# KiCad board imx8x_carrier_v1.kicad_pcb (continued)
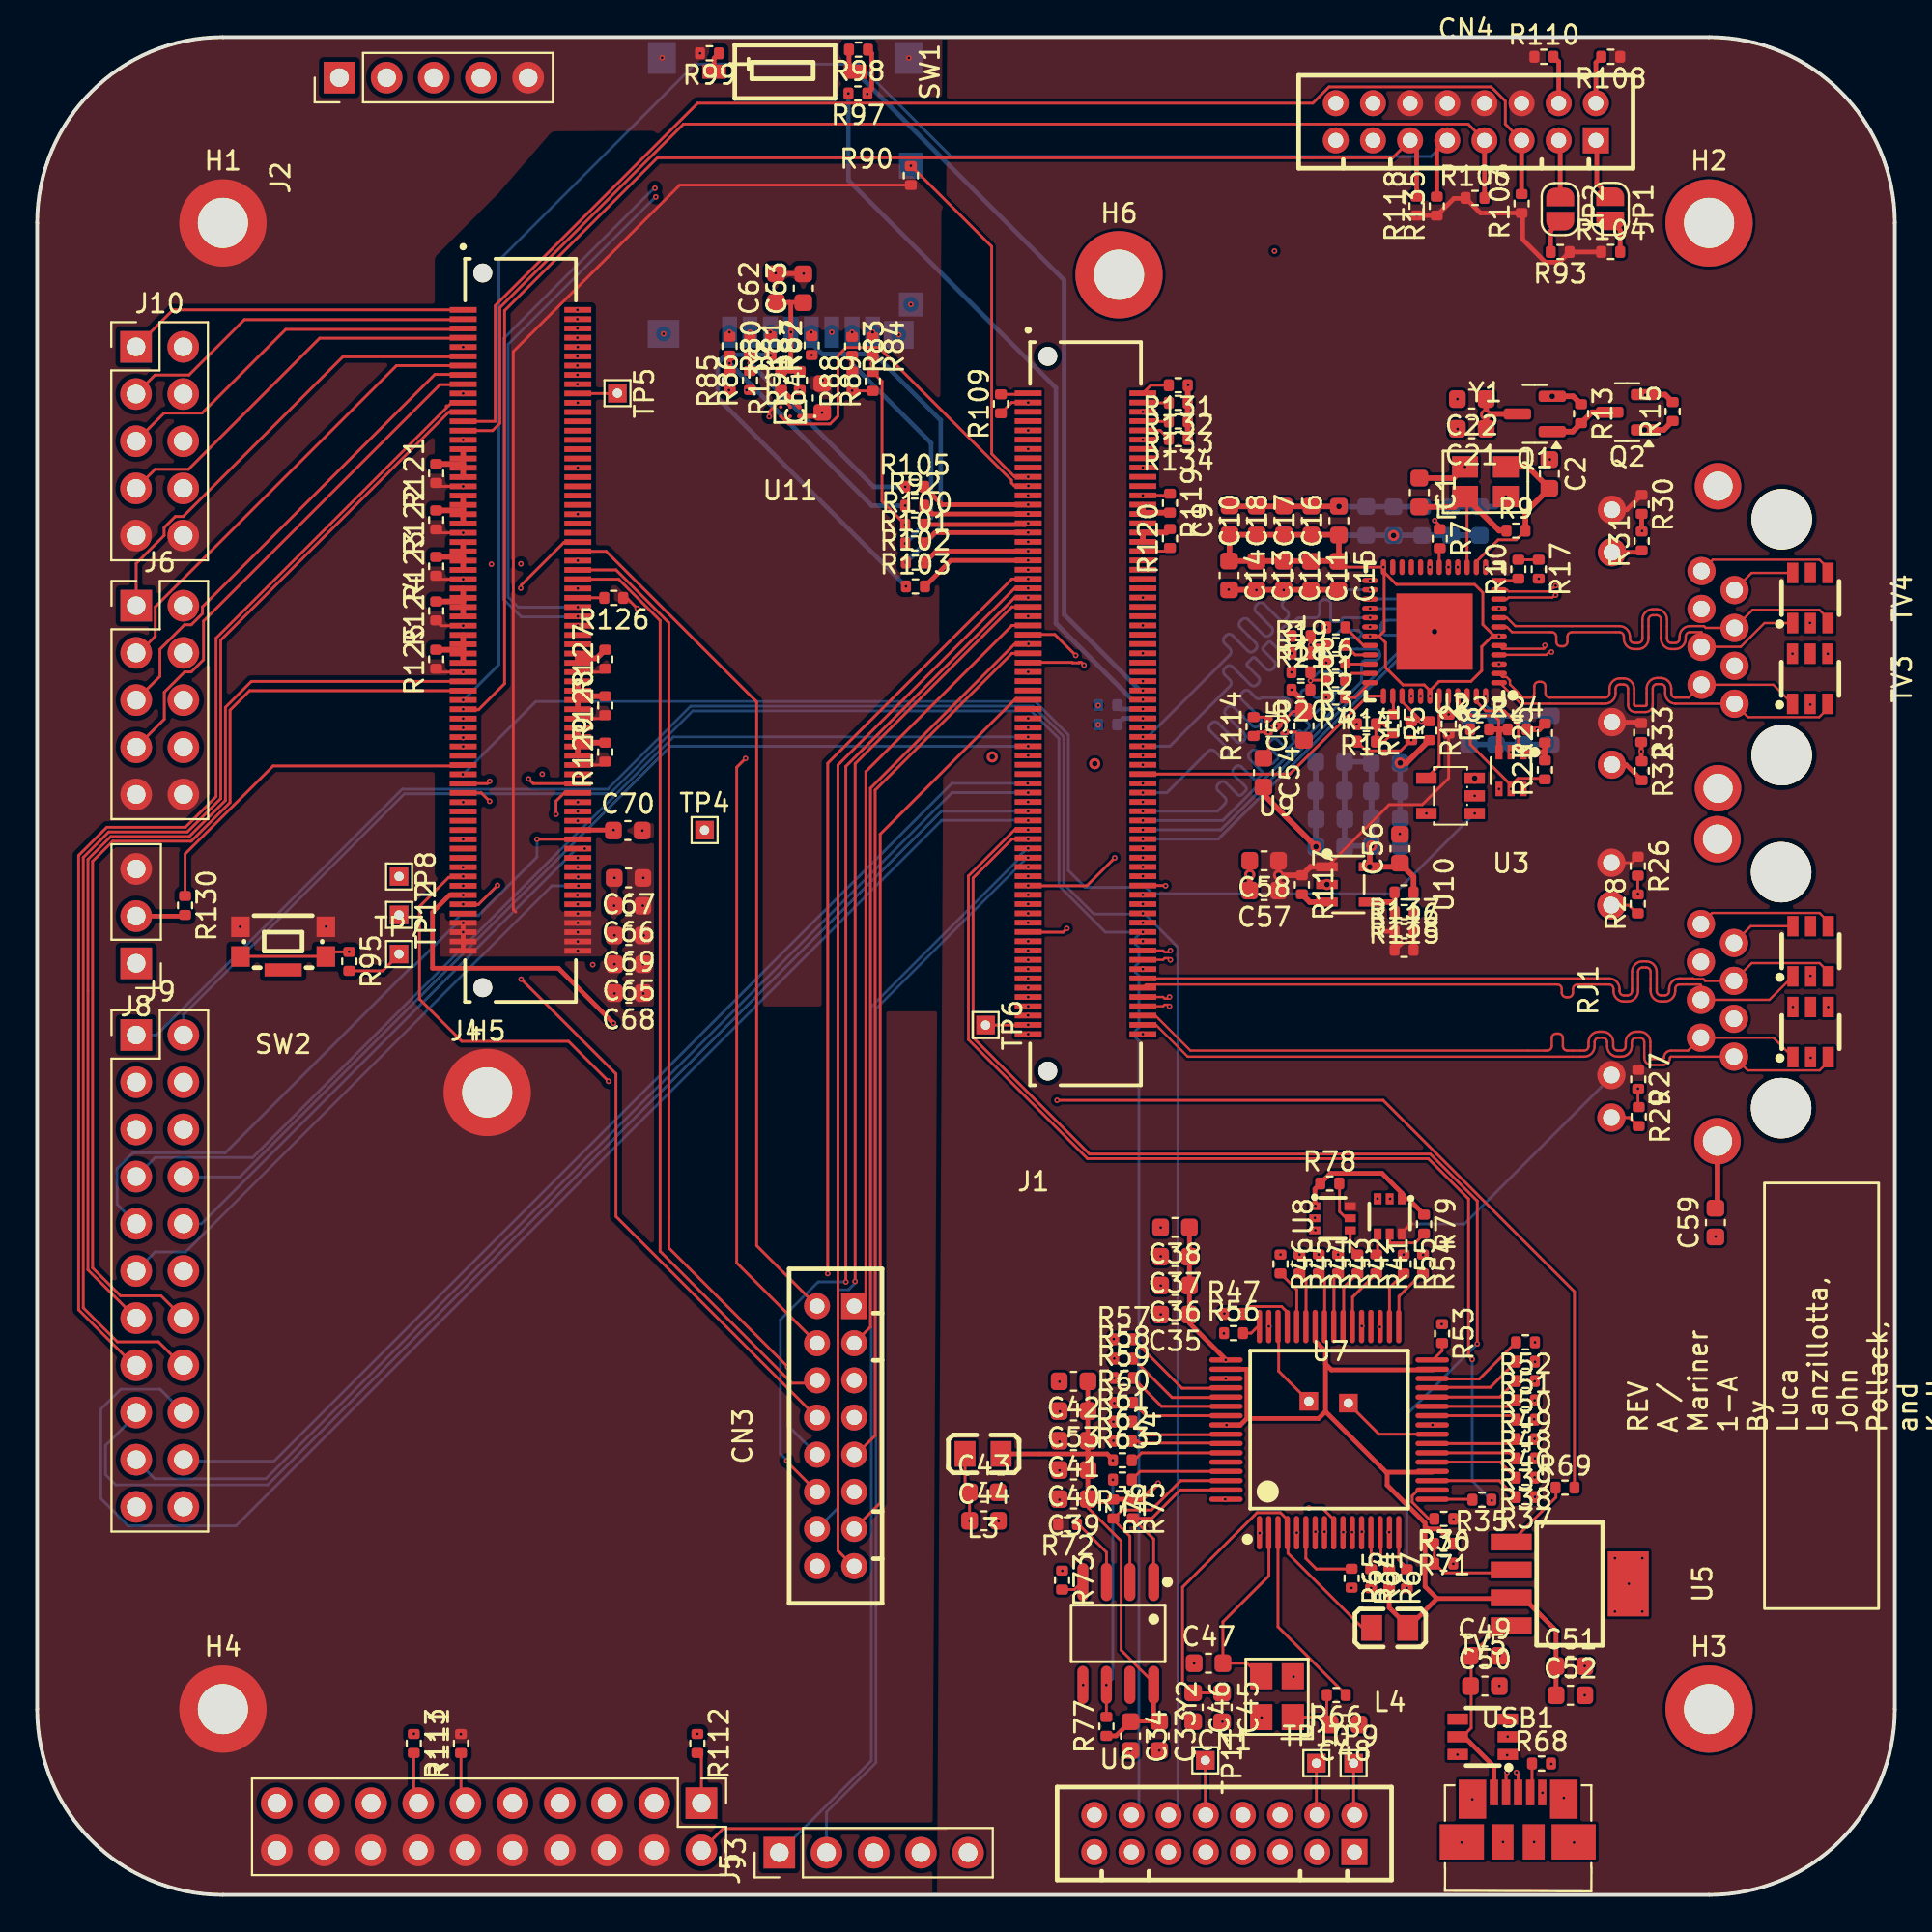
[diagram p0: board, top side]
## Routing (per net, layer and track width the routed paths; a pad name or vN(x,y) marks a point on that pad's centre or on a via; arc(x,y) is an arc through that point) (continued)
VCC_ENET_2V5: length 84
  SIG1 w0.3: R116.1 74.09,54.81 C56.1 73.16,55.34 v2(71.73,55.34) 71.73,56.37 v2(71.83,56.47) ; R15.1 87.56,78.86 v2(86.53,78.86)
  PWR w0.25: 77.19,69.25 77.23,69.21 77.23,67.68 75.8,66.25 ; 77.19,69.25 v1(74.97,71.47) 74.97,71.31 ; 77.19,69.25 v1(78.69,69.25) ; 75.8,66.25 v1(78.69,66.25) ; 75.8,66.25 74.47,64.92 v1(74.47,64.53) 74.47,65.81 72.04,68.25 v1(71.75,68.25) 71.91,68.25 74.97,71.31 ; 74.97,71.31 73.11,73.17 v2(73.02,73.17)
  PWR w0.3: v1(74.97,71.47) 77.34,73.84 77.34,77.23 81.33,81.22 84.17,81.22 v2(86.53,78.86) ; v1(74.47,64.53) 74.47,64.31 74.04,63.87 74.04,63.3 71.83,61.1 v2(71.83,56.47)
  SIG3 w0.3: C3.1 77.65,73.19 C8.1 ; C31.1 71.82,56.48 v2(71.83,56.47) ; C31.1 71.83,60.92 v2(71.83,56.47) ; C31.1 71.76,60.99 C29.1 70.38,56.43 C28.1 70.44,56.47 v2(71.83,56.47)
VCC_LDO_SD1: length 23
  SIG1 w0.15: R89.1 43.89,80.96 43.86,80.99
  PWR w0.25: 37.13,81 v1(37.24,81) v1(38.18,81) v1(41.05,81) ; v1(41.05,81) 43.84,81 v1(43.87,80.97) 52.01,72.83 53.34,72.83 ; v1(41.05,81) 41.69,81.64 v1(41.69,82.89) ; v1(53.35,72.83) 53.21,72.83
VCC_QSPI_1V8: length 2.1
  SIG1 w0.15: J4.20 31.21,80.82 31.23,80.84
VCC_SCU_1V8: length 48.9
  SIG1 w0.25: R97.1 44.92,97.2 44.92,99.13 R98.1
  PWR w0.15: v1(24.45,71.63) 24.45,81.26 34.11,90.92 38.66,90.92 v1(44.68,96.94)
  SIG2 w0.15: v1(24.45,71.63) 24.45,63.77 22.99,62.31 22.92,62.31
  vias: v1(22.93,62.29)
VDD_ADC_1V8: length 7.2
  SIG1 w0.25: J4.114 v1(31.03,57.32)
  PWR w0.25: v1(31.03,57.32) 31.46,57.75 35.48,57.75 35.96,57.27
VDD_ETH_1V0: length 65.5
  SIG1 w0.15: 74.97,64.82 74.67,65.13 73.52,65.13 72.58,66.07 72.58,67.41 72.24,67.75 72.04,67.75 ; 74.97,64.82 v1(74.97,64.53) ; 74.97,64.82 75.47,65.32 77.18,65.32 77.76,65.9 77.76,67.19 78.32,67.75 v1(78.69,67.75) 78.45,67.75 77.82,68.38 77.82,70.1 77.38,70.54 73.17,70.54 72.47,71.24 v1(72.47,71.47) ; 72.04,67.75 72.23,67.75 72.51,68.03 72.51,71.43 v1(72.47,71.47) ; 72.04,67.75 v1(71.75,67.75) ; C15.1 70.35,71.47 v1(72.47,71.47) ; C55.1 67.75,62.59 v1(67.19,62.59) U9.1
  SIG1 w0.3: v2(81.56,80.67) 82.68,80.67 R13.1 ; C9.1 70.06,73.21 C16.1 70.07,71.81 C15.1 70.02,71.8 C14.1 64.19,71.82 C9.1
  PWR w0.15: v1(71.75,67.75) 71.75,67.39 67.19,62.83 v1(67.19,62.59)
  PWR w0.3: v2(81.56,80.67) 80.36,79.46 80.36,69.41 v1(78.69,67.75)
/Debug USB - UART/DEBUG_USB_DN: length 21
  SIG1 w0.158: USB1.2 79.07,6.54
  SIG2 w0.158: v1(79.13,6.59) 79.2,6.66 79.2,7.5 76.81,9.89 arc(76.64,9.96) 76.47,9.89 76.24,9.65 arc(76.07,9.58) 75.9,9.65 75.81,9.74 arc(75.74,9.91) 75.81,10.08 76.05,10.31 arc(76.12,10.48) 76.05,10.65 75.96,10.74 arc(75.79,10.81) 75.62,10.74 75.39,10.5 arc(75.22,10.43) 75.05,10.5 74.96,10.59 arc(74.89,10.76) 74.96,10.93 75.2,11.16 arc(75.27,11.33) 75.2,11.5 70.94,15.75 70.44,15.75 68.88,17.32 68.88,19.48 v1(68.81,19.54)
  vias: v1(79.13,7.52)
/Debug USB - UART/DEBUG_USB_DP: length 25
  SIG1 w0.158: USB1.3 79.72,6.54
  SIG2 w0.158: v1(69.31,19.54) 69.24,19.48 69.24,17.47 70.59,16.11 70.92,16.11 71.01,16.2 75.28,11.93 arc(75.45,11.86) 75.62,11.93 75.84,12.15 arc(76.01,12.22) 76.18,12.15 76.26,12.07 arc(76.33,11.9) 76.26,11.73 76.04,11.51 arc(75.97,11.34) 76.04,11.17 76.12,11.08 arc(76.29,11.01) 76.46,11.08 76.69,11.3 arc(76.86,11.37) 77.03,11.3 77.11,11.22 arc(77.18,11.05) 77.11,10.88 76.89,10.66 arc(76.82,10.49) 76.89,10.32 79.56,7.65 79.56,6.66 v1(79.63,6.59) ; v1(76.46,7.54) 77.81,6.19 79.29,6.19 79.63,6.53 79.63,6.59
/Debug USB - UART/DEBUG_USB_ID: length 1.5
  SIG1 w0.15: 80.36,5.59 80.47,5.71 R68.1
/Debug USB - UART/FTDI_OSCI: length 10.5
  SIG1 w0.15: 65.86,11.74 65.13,12.47 C47.2 63.83,14.7 66.31,17.17 66.31,19.59
/Debug USB - UART/FTDI_OSCO: length 3.8
  SIG1 w0.15: R66.2 69.42,9.51 69.68,9.24 ; Y2.1 69.29,9.56 69.66,9.19
/Debug USB - UART/M40_UART0_RX: length 1.2
  SIG1 w0.15: 72.06,34.44 72.16,34.54 U8.4
/Debug USB - UART/M40_UART0_TX: length 1.5
  SIG1 w0.15: U7.4 70.68,34.89 71.11,34.47
ETH1_A_TX_N: length 22.3
  SIG1 w0.124: TV3.1 93.46,65.14 RJ2.2 88.9,64.45 88.2,64.45 arc(88.04,64.52) 87.97,64.68 87.97,64.94 arc(87.8,65.34) 87.4,65.5 87.2,65.5 arc(86.8,65.34) 86.64,64.94 86.64,64.06 arc(86.62,64.01) 86.58,64 86.03,64 arc(85.98,64.01) 85.97,64.06 85.97,64.92 arc(85.8,65.32) 85.4,65.48 85.2,65.48 arc(84.8,65.32) 84.64,64.92 84.64,64.68 arc(84.57,64.52) 84.4,64.45 81.43,64.45 arc(81.26,64.52) 81.19,64.69 81.19,65.06 arc(81.12,65.23) 80.95,65.3 80.83,65.3 arc(80.66,65.23) 80.59,65.06 80.59,64.69 arc(80.52,64.52) 80.35,64.45 79.99,64.45 79.28,65.16 79.28,65.38 79.1,65.55 78.89,65.55 U1.2
ETH1_A_TX_P: length 22.8
  SIG1 w0.124: U1.1 78.73,65.25 79.86,64.12 84.4,64.12 arc(84.8,64.28) 84.97,64.68 84.97,64.92 arc(85.04,65.09) 85.2,65.16 85.4,65.16 arc(85.57,65.09) 85.64,64.92 85.64,64.06 arc(85.75,63.78) 86.03,63.67 86.58,63.67 arc(86.85,63.78) 86.97,64.06 86.97,64.94 arc(87.04,65.11) 87.2,65.18 87.4,65.18 arc(87.57,65.11) 87.64,64.94 87.64,64.68 arc(87.8,64.28) 88.2,64.12 RJ2.1 92.09,63.4 95.93,63.4 96.39,63.86 TV3.3
ETH1_B_TX_N: length 22.1
  SIG1 w0.124: v1(81.16,67.26) 81.16,67.13 81.11,67.08 78.86,67.08 U1.5
  SIG2 w0.124: v1(94.49,66.81) 92.08,69.22 RJ2.6 89.12,68.74 88.96,68.74 arc(88.56,68.58) 88.4,68.18 88.4,67.89 arc(88.33,67.72) 88.16,67.66 87.96,67.66 arc(87.79,67.72) 87.72,67.89 87.72,68.18 arc(87.56,68.58) 87.16,68.74 86.25,68.74 arc(86.08,68.81) 86.01,68.98 86.01,69.18 arc(85.94,69.34) 85.77,69.42 85.65,69.42 arc(85.48,69.34) 85.41,69.18 85.41,68.98 arc(85.34,68.81) 85.17,68.74 85.05,68.74 arc(84.88,68.81) 84.81,68.98 84.81,69.18 arc(84.74,69.34) 84.57,69.42 84.45,69.42 arc(84.28,69.34) 84.21,69.18 84.21,68.98 arc(84.14,68.81) 83.97,68.74 83.85,68.74 arc(83.68,68.81) 83.61,68.98 83.61,69.18 arc(83.54,69.34) 83.37,69.42 83.25,69.42 arc(83.08,69.34) 83.01,69.18 83.01,68.98 arc(82.94,68.81) 82.77,68.74 81.29,67.26 v1(81.16,67.26)
ETH1_B_TX_P: length 21.5
  SIG1 w0.124: v1(81.52,66.9) 81.4,66.9 81.24,66.75 U1.4
  SIG2 w0.124: v1(81.52,66.9) 81.52,67.03 82.91,68.42 87.16,68.42 arc(87.33,68.35) 87.4,68.18 87.4,67.89 arc(87.56,67.49) 87.96,67.33 88.16,67.33 arc(88.56,67.49) 88.72,67.89 88.72,68.18 arc(88.79,68.35) 88.96,68.42 89.12,68.42 89.43,68.1 89.97,68.1 90.51,67.56 90.51,67.02 RJ2.3 95.74,66.16 v1(96.39,66.81)
ETH1_C_TXCLK_N: length 22.9
  SIG1 w0.124: TV4.3 96.4,68.71 95.94,69.17 92.34,69.17 RJ2.5 89.82,68.2 89.73,68.3 88.98,68.3 arc(88.58,68.13) 88.41,67.73 88.41,67.62 arc(88.34,67.46) 88.18,67.39 87.98,67.39 arc(87.81,67.46) 87.74,67.62 87.74,68.64 arc(87.57,69.04) 87.18,69.21 86.98,69.21 arc(86.58,69.04) 86.41,68.64 86.41,67.62 arc(86.34,67.46) 86.18,67.39 85.98,67.39 arc(85.81,67.46) 85.74,67.62 85.74,67.73 arc(85.57,68.13) 85.18,68.3 79.57,68.3 79.12,68.75 U1.8
ETH1_C_TXCLK_P: length 22.4
  SIG1 w0.124: U1.7 79.12,68.25 79.4,67.97 81.53,67.97 arc(81.7,67.9) 81.77,67.73 81.77,67.45 arc(81.85,67.28) 82.01,67.21 82.13,67.21 arc(82.3,67.28) 82.37,67.45 82.37,67.73 arc(82.45,67.9) 82.61,67.97 85.18,67.97 arc(85.34,67.9) 85.41,67.73 85.41,67.62 arc(85.58,67.22) 85.98,67.06 86.18,67.06 arc(86.57,67.22) 86.74,67.62 86.74,68.64 arc(86.81,68.81) 86.98,68.88 87.18,68.88 arc(87.34,68.81) 87.41,68.64 87.41,67.62 arc(87.58,67.22) 87.98,67.06 88.18,67.06 arc(88.57,67.22) 88.74,67.62 88.74,67.73 arc(88.81,67.9) 88.98,67.97 89.59,67.97 89.59,67.97 RJ2.4 91.7,67.18 92.98,68.46 TV4.1
ETH1_D_RXDV_N: length 23.7
  SIG1 w0.124: v1(81.74,70.47) 81.63,70.36 81.58,70.36 81.39,70.16 79.2,70.16 79.12,70.25 U1.11 ; TV4.4 96.4,71.41 95.94,71.87 90.2,71.87 RJ2.8
  SIG2 w0.124: v1(81.74,70.47) 81.83,70.38 82.67,70.38 arc(82.82,70.44) 82.88,70.59 arc(82.94,70.74) 83.09,70.8 83.27,70.8 arc(83.42,70.74) 83.48,70.59 arc(83.54,70.44) 83.69,70.38 83.87,70.38 arc(84.02,70.44) 84.08,70.59 arc(84.14,70.74) 84.29,70.8 84.47,70.8 arc(84.62,70.74) 84.68,70.59 arc(84.74,70.44) 84.89,70.38 86.23,70.38 arc(86.63,70.22) 86.79,69.82 86.79,69.59 arc(86.86,69.42) 87.03,69.35 87.23,69.35 arc(87.4,69.42) 87.47,69.59 87.47,70.95 arc(87.63,71.35) 88.03,71.52 88.23,71.52 arc(88.63,71.35) 88.79,70.95 88.79,70.62 arc(88.86,70.45) 89.03,70.38 89.5,70.38 89.59,70.47 RJ2.8
ETH1_D_RXDV_P: length 19.7
  SIG1 w0.124: U1.10 79.12,69.75 79.2,69.84 81.57,69.84 81.7,69.97 v1(81.74,69.97) ; TV4.6 92.29,71.16 RJ2.7
  SIG2 w0.124: RJ2.7 89.82,70.24 89.73,70.14 89.21,70.14 89.12,70.06 89.03,70.06 arc(88.63,70.22) 88.47,70.62 88.47,70.95 arc(88.4,71.12) 88.23,71.19 88.03,71.19 arc(87.86,71.12) 87.79,70.95 87.79,69.59 arc(87.63,69.19) 87.23,69.02 87.03,69.02 arc(86.63,69.19) 86.47,69.59 86.47,69.82 arc(86.4,69.99) 86.23,70.06 81.83,70.06 v1(81.74,69.97)
ETH1_LED0: length 9.1
  SIG1 w0.15: 86.33,61.58 86.33,61.06 R32.1
  SIG1 w0.25: R33.2 86.35,61.05 R32.1
  SIG2 w0.15: 86.33,61.58 86.33,61.08 84.79,59.53 v1(79.99,59.53)
  vias: v1(86.35,61.56)
ETH1_LED1: length 21.6
  SIG1 w0.15: v1(86.39,73.42) 86.37,73.44 86.37,73.8
  SIG1 w0.25: R30.2 R31.2
  SIG2 w0.15: v1(86.39,73.42) 80.98,73.42 79.73,72.17 79.75,72.15 79.75,60.59 v1(78.69,59.53)
LED0_LINK: length 6.8
  SIG1 w0.15: U3.1 79.74,61.77 79.74,62.97 78.98,63.73 77.98,63.73 77.47,64.23 U1.47
  SIG1 w0.3: 81.16,61.5 81.15,61.51 U3.1 ; 81.16,61.5 R23.2 ; 81.16,61.5 81.16,62.03 ; 81.16,62.06 81.17,62.06
LED2_ACT: length 5.6
  SIG1 w0.15: U1.45 76.47,64.23 77.23,63.48 78.43,63.48 78.68,63.23 78.68,62.74
  SIG1 w0.3: 78.68,62.74 78.69,62.73 U3.3 ; 78.68,62.74 79.16,62.74 79.16,62.74 ; 78.68,62.74 78.16,62.74
SD1_SPWR: length 1.4
  SIG1 w0.25: R136.1 40.11,81.01 U11.B1
USB_OTG2_VBUS: length 1.6
  SIG1 w0.15: R131.2 59.95,81.26 J1.02
X_ADMA_I2C0_SCL: length 183.1
  SIG1 w0.25: 83.96,94.52 83.96,92.13 JP1.1
  PWR w0.15: 29.13,69.32 29.04,69.32 28.45,68.73 28.45,68.05 30.06,66.45 30.06,50.29 29.91,50.14 v1(29.91,50.07)
  SIG2 w0.15: v1(33.3,91.4) 80.86,91.4 CN4.1 ; v1(29.91,50.07) 29.91,7.72 31.67,5.96 63.25,5.96 CN1.8
  SIG3 w0.15: v1(29.11,69.32) 25.89,69.32 25.36,69.85 25.36,83.47 33.28,91.39
X_ADMA_I2C0_SDA: length 183.7
  SIG1 w0.25: 81.94,94.49 81.99,94.45 JP2.1
  PWR w0.15: 66.91,4.29 66.03,3.42 50.66,3.42 48.03,6.04 31.49,6.04 30.31,7.22 30.31,66.55 28.7,68.15 28.7,68.49 29.04,68.82 v1(29.11,68.82)
  SIG2 w0.15: CN4.3 79.33,91.87 v1(33.26,91.87)
  SIG3 w0.15: 29.08,68.79 26.06,68.79 25.11,69.74 25.11,83.77 33.21,91.87 v1(33.26,91.87)
X_ADMA_I2C1_SCL: length 73
  SIG1 w0.15: J4.25 24.66,79.32 24.66,85.54 35.56,96.45 68.67,96.45 69.54,97.32 78.27,97.32 79.03,96.56 79.03,95.32 79.96,94.39
  SIG1 w0.25: 79.89,94.49 79.91,94.48 R107.2
X_ADMA_I2C1_SDA: length 69
  SIG1 w0.15: CN4.7 77.03,95.32 34.79,95.32 24.91,85.44 ; 24.91,85.44 24.91,79.22 24.51,78.82 J4.27
  SIG1 w0.25: R106.2 77.91,94.47 77.94,94.49
X_ADMA_I2C2_SCL: length 85.8
  SIG1 w0.25: 76.03,94.62 75.34,93.93 R135.2
  SIG3 w0.15: CN4.9 75.03,93.57 49.2,93.57 44.22,98.55 35.41,98.55 24.86,87.99 24.86,66.22 22.96,64.32
  vias: v1(22.93,64.32)
X_ADMA_I2C2_SDA: length 78.8
  SIG1 w0.15: 22.93,63.79 23.76,63.79 25.16,65.2 25.16,85.28 33.39,93.51 72.97,93.51 CN4.11
  SIG1 w0.25: 73.86,94.62 74.26,94.22 R118.2
  vias: v1(22.93,63.82)
X_ADMA_I2C3_SCL: length 69.9
  SIG1 w0.25: CN4.2 83.91,98.63 84.19,98.92
  SIG2 w0.15: CN4.2 85.48,96.44 86.08,95.84 86.08,94.87 75.03,83.82 58.93,83.82 57.61,82.49 57.61,54.59 58.88,53.32 59.53,53.32
  vias: v1(59.52,53.33)
X_ADMA_I2C3_SDA: length 75
  SIG1 w0.15: v1(58.01,55.82) 56.51,54.32 53.36,54.32
  SIG1 w0.25: 81.62,98.97 81.91,98.68 CN4.4
  SIG2 w0.15: CN4.4 83.08,97.62 85.18,97.62 86.33,96.47 86.33,94.76 75.14,83.57 59.26,83.57 58.01,82.32 v1(58.01,55.82)
  vias: v1(53.35,54.33)
X_ADMA_SPI0_CS0: length 41.2
  SIG1 w0.15: 43.96,31.54 44.61,32.19 44.61,60.47 52.47,68.33 J1.51
X_ADMA_SPI0_CS1: length 71.8
  SIG1 w0.15: 53.36,67.32 52.61,67.32 44.86,59.57 44.86,30.57 CN3.3
  GND2 w0.15: v1(53.36,67.34) 67.66,67.34 68.12,66.88 73.22,66.88 77.86,62.24 77.86,59.65 77.37,59.16
  vias: v1(77.38,59.16)
X_ADMA_SPI0_SCK: length 47
  SIG1 w0.15: 53.38,67.84 54.78,67.84 v1(55.91,66.72)
  SIG2 w0.15: v1(55.91,66.72) 55.91,39.62 CN3.5
X_ADMA_SPI0_SDI: length 48.7
  SIG1 w0.15: v1(56.36,66.19) 56.21,66.34 56.1,66.34 56.07,66.32 55.74,66.32 55.71,66.34 53.43,66.34 53.41,66.32
  SIG2 w0.15: CN3.7 56.36,38.07 v1(56.36,66.19)
X_ADMA_SPI0_SDO: length 47.6
  SIG1 w0.15: J1.57 52.47,66.83 45.11,59.47 45.11,24.72 43.98,23.59
X_ADMA_SPI1_CS0: length 46.9
  SIG1 w0.15: CN3.2 38.73,34.94 38.73,64.22 30.63,72.32 29.06,72.32
X_ADMA_SPI1_CS1: length 49.4
  SIG1 w0.15: v1(38.13,61.17) 37.66,60.69 37.66,34.02 CN3.4
  SIG2 w0.15: v1(53.35,62.83) 39.77,62.83 38.13,61.19
X_ADMA_SPI1_SCK: length 50.8
  SIG1 w0.15: J4.60 31.31,70.82 33.53,68.6 33.53,34.64 40.63,27.54 42.08,27.54
X_ADMA_SPI1_SDI: length 57.2
  SIG1 w0.15: v1(26.03,70.34) 26.06,70.36 26.06,70.5 28.35,72.79 29.18,72.79 ; 26.06,49.3 31.16,44.19 31.16,36.52 CN3.8
  GND1 w0.15: v1(26.03,70.34) 26.05,70.32
  GND2 w0.15: 26.04,49.3 23.96,51.39 23.96,68.26 v1(26.03,70.34)
  vias: v1(26.05,49.29)
X_ADMA_SPI1_SDO: length 54.2
  SIG1 w0.15: v1(40.41,28.42) 34.01,34.82 34.01,36.54 ; 34.01,36.54 34.01,68.48 31.16,71.32 J4.58 ; 34.01,36.54 34.01,36.44
  SIG3 w0.15: 41.96,23.72 40.41,25.27 v1(40.41,28.42)
X_ADMA_SPI2_CS0: length 54.7
  SIG1 w0.15: v1(53.35,70.83) 52.47,70.83 42.56,60.92 v1(42.56,33.44)
  SIG2 w0.15: v1(42.56,33.44) 42.86,33.14 42.86,22.84 43.98,21.72
X_ADMA_SPI2_CS1: length 49.1
  SIG1 w0.15: 53.46,64.34 52.63,64.34 45.38,57.09 45.38,21.09 CN3.13
X_ADMA_SPI2_SCK: length 57.8
  SIG1 w0.15: 44.03,17.59 43.11,18.52 43.11,60.82 52.62,70.33 v1(53.35,70.33)
X_ADMA_SPI2_SDI: length 55.8
  SIG1 w0.15: CN3.12 40.36,23.32 v1(40.36,23.37) ; v1(53.35,69.83) 52.62,69.83 43.53,60.74 v1(43.53,32.99)
  SIG3 w0.15: v1(43.53,32.99) 42.04,32.99 40.01,30.96 40.01,23.75 40.36,23.39
X_ADMA_SPI2_SDO: length 55.3
  SIG1 w0.15: v1(44.03,33.02) 44.03,60.89 52.47,69.33 J1.47
  SIG3 w0.15: v1(44.03,33.02) 44.03,32.93 43.67,32.57 43.11,32.57 43.11,20.82 41.93,19.64
X_ADMA_UART0_RX: length 65.6
  SIG1 w0.15: v1(53.35,56.83) 52.47,56.83 50.38,54.74 50.38,46.14 56.64,39.88 74.99,39.88 77.52,37.35 v1(77.52,29.66)
  SIG3 w0.15: v1(77.52,29.66) 73.73,25.87 v1(73.73,16.51)
X_ADMA_UART0_TX: length 60.3
  SIG1 w0.15: v1(77.25,28.82) 77.05,29.02 77.05,37.46 74.89,39.63 56.54,39.63 50.13,46.04 50.13,54.84 52.62,57.33 v1(53.35,57.33)
  SIG3 w0.15: v1(78.3,21.23) 77.25,22.28 v1(77.25,28.82)
X_ADMA_UART1_CTS_B: length 65.9
  SIG2 w0.15: 53.36,52.82 53.98,52.82 54.56,53.39 54.56,79.73 49.76,84.52 37.19,84.52 J2.4
  vias: v1(53.35,52.83)
X_ADMA_UART1_RTS_B: length 70.8
  SIG2 w0.15: 53.36,52.32 53.84,52.32 54.81,53.29 54.81,79.83 49.87,84.77 37.33,84.77 24.92,97.18 24.92,98.24 24.32,98.85 22.38,98.85 J2.3
  vias: v1(53.35,52.33)
X_ADMA_UART1_RX: length 78.9
  SIG1 w0.15: 53.36,51.82 55.23,51.82 v1(55.43,52.02)
  SIG2 w0.15: v1(55.43,52.02) 55.38,52.07 55.38,79.97 49.35,86.01 38.05,86.01 38.06,86.03 27.48,96.61 27.48,96.62 27.48,96.59 27.48,98.22 26.35,99.35 17.8,99.35 J2.1
X_ADMA_UART1_TX: length 75.1
  SIG2 w0.15: J2.2 20.09,99.1 24.42,99.1 25.17,98.35 25.17,97.29 37.43,85.02 49.98,85.02 55.06,79.94 55.06,52.17 54.23,51.34 53.38,51.34
  vias: v1(53.35,51.33)
X_ADMA_UART2_RX: length 59.7
  SIG3 w0.15: 53.36,56.34 53.36,56.23 53.18,56.23 52.95,56 52.95,55.85 44.91,47.81 44.91,7.22 J3.1
  vias: v1(53.35,56.33)
X_ADMA_UART2_TX: length 58.1
  SIG3 w0.15: 53.36,55.82 53.27,55.82 45.16,47.71 45.16,7.12 42.49,4.45 J3.2
  vias: v1(53.35,55.83)
X_BOOT_MODE0: length 41.2
  SIG1 w0.25: R98.2 43.7,98.5 v1(44.05,98.15) SW1.2
  SIG3 w0.25: v1(59.52,64.83) 59.37,64.83 55.29,68.92 55.29,86.92 v1(44.05,98.15)
X_BOOT_MODE1: length 39.5
  SIG3 w0.25: v1(59.52,64.33) 58.95,64.33 54.84,68.44 54.84,81.12 43.67,92.29 v1(43.67,96.97)
X_BOOT_MODE2: length 1.5
  SIG3 w0.25: R94.1 58.35,63.83 v1(59.52,63.83)
X_BOOT_MODE3: length 1.5
  SIG3 w0.25: R96.1 58.47,63.33 v1(59.52,63.33)
X_CONN_ENET1_REFCLK: length 26.7
  SIG1 w0.15: v1(75.23,73.98) 75.5,73.71 R7.1
  GND1 w0.15: 59.51,54.82 60.32,54.82 73.95,68.45 73.95,72.7 v1(75.23,73.98)
  vias: v1(59.52,54.83)
X_CONN_ENET1_RX_CTL: length 15.5
  GND2 w0.15: 72.06,62.52 64.89,55.34 59.51,55.34
  vias: v1(59.52,55.33)
X_CONN_ENET1_RX_CTRL: length 3.1
  SIG1 w0.15: 72.96,62.53 72.47,63.02 R16.1 72.06,62.13 72.04,62.11 ; R14.2 72.5,62.08 72.93,62.51
X_CONN_ENET1_RXC: length 25.4
  SIG2 w0.157: v1(59.52,59.83) 60.22,60.53 arc(60.39,60.6) 60.56,60.53 60.92,60.17 arc(61.09,60.1) 61.26,60.17 61.34,60.26 arc(61.41,60.43) 61.34,60.6 60.98,60.95 arc(60.91,61.12) 60.98,61.29 61.07,61.38 arc(61.24,61.45) 61.41,61.38 61.77,61.02 arc(61.94,60.95) 62.11,61.02 62.19,61.1 arc(62.26,61.27) 62.19,61.44 61.83,61.8 arc(61.76,61.97) 61.83,62.14 61.92,62.23 arc(62.09,62.3) 62.26,62.23 62.61,61.87 arc(62.78,61.8) 62.95,61.87 63.04,61.95 arc(63.11,62.12) 63.04,62.29 62.68,62.65 arc(62.61,62.82) 62.68,62.99 62.76,63.08 arc(62.93,63.15) 63.1,63.08 63.46,62.72 arc(63.63,62.65) 63.8,62.72 63.89,62.8 arc(63.96,62.97) 63.89,63.14 63.53,63.5 arc(63.46,63.67) 63.53,63.84 63.61,63.92 arc(63.78,64) 63.95,63.92 64.31,63.57 arc(64.48,63.5) 64.65,63.57 64.74,63.65 arc(64.81,63.82) 64.74,63.99 64.38,64.35 arc(64.31,64.52) 64.38,64.69 64.46,64.77 arc(64.63,64.84) 64.8,64.77 65.16,64.41 arc(65.33,64.34) 65.5,64.41 65.58,64.5 arc(65.65,64.67) 65.58,64.84 65.23,65.2 arc(65.15,65.37) 65.23,65.54 65.31,65.62 arc(65.48,65.69) 65.65,65.62 66.01,65.26 arc(66.18,65.19) 66.35,65.26 66.43,65.35 arc(66.5,65.52) 66.43,65.69 66.07,66.05 arc(66,66.22) 66.07,66.39 66.16,66.47 arc(66.33,66.54) 66.5,66.47 66.68,66.29 arc(66.85,66.22) 67.02,66.29 67.1,66.37 arc(67.18,66.54) 67.1,66.71 66.92,66.89 arc(66.85,67.06) 66.92,67.23 67.93,67.23 68.93,68.23 v1(69.4,68.23)
X_CONN_ENET1_RXD0: length 28
  SIG1 w0.15: v1(68.55,67.28) R19.2 ; v1(68.55,67.28) R21.1 ; v1(68.55,67.28) R1.2
  SIG2 w0.15: v1(59.52,55.83) 61,55.83 64.79,59.63 arc(64.86,59.79) 64.79,59.96 64.51,60.25 arc(64.44,60.42) 64.51,60.59 64.59,60.67 arc(64.76,60.75) 64.93,60.67 65.84,59.76 arc(66.01,59.69) 66.18,59.76 66.27,59.85 arc(66.34,60.02) 66.27,60.19 65.36,61.1 arc(65.29,61.27) 65.36,61.44 65.44,61.52 arc(65.61,61.59) 65.78,61.52 66.69,60.61 arc(66.86,60.54) 67.03,60.61 67.12,60.7 arc(67.19,60.87) 67.12,61.04 66.45,61.7 arc(66.38,61.87) 66.45,62.04 66.54,62.12 arc(66.71,62.19) 66.88,62.12 67.54,61.46 arc(67.71,61.39) 67.88,61.46 67.97,61.55 arc(68.04,61.72) 67.97,61.88 67.68,62.17 arc(67.61,62.34) 67.68,62.51 68.14,62.97 68.14,63.61 arc(68.21,63.78) 68.38,63.85 68.63,63.85 arc(68.8,63.92) 68.87,64.09 68.87,64.21 arc(68.8,64.38) 68.63,64.45 68.04,64.45 arc(67.97,64.48) 67.94,64.55 67.94,64.95 arc(67.97,65.02) 68.04,65.05 arc(68.11,65.08) 68.14,65.15 68.14,65.55 arc(68.11,65.62) 68.04,65.65 arc(67.97,65.68) 67.94,65.75 67.94,66.15 arc(67.97,66.22) 68.04,66.25 arc(68.11,66.28) 68.14,66.35 68.14,66.87 v1(68.55,67.28)
X_CONN_ENET1_RXD1: length 24
  SIG3 w0.157: v1(69.39,66.33) 69.39,67.3 70.16,68.07 71.12,68.07 71.29,67.9 arc(71.22,67.73) 71.05,67.66 70.56,67.66 arc(70.39,67.59) 70.32,67.42 70.32,67.3 arc(70.39,67.13) 70.56,67.06 72.02,67.06 arc(72.19,66.99) 72.26,66.82 72.26,66.7 arc(72.19,66.53) 72.02,66.46 71.53,66.46 arc(71.36,66.39) 71.29,66.22 71.29,65.3 63.82,57.83 v1(59.52,57.83)
X_CONN_ENET1_RXD2: length 27.3
  SIG1 w0.15: 68.54,64.87 v1(68.54,65.36) 68.54,65.39 ; 68.52,64.85 68.52,64.85 ; 68.54,65.39 R18.2 ; 68.54,65.39 R3.2
  SIG3 w0.15: v1(59.52,58.33) 63.53,58.33 63.94,58.73 arc(64.01,58.9) 63.94,59.07 63.57,59.44 arc(63.5,59.61) 63.57,59.78 63.65,59.86 arc(63.82,59.93) 63.99,59.86 64.63,59.22 arc(64.74,59.18) 64.85,59.22 65.06,59.43 arc(65.1,59.54) 65.06,59.65 64.42,60.29 arc(64.35,60.46) 64.42,60.63 64.5,60.71 arc(64.67,60.78) 64.84,60.71 65.48,60.07 arc(65.59,60.03) 65.7,60.07 65.91,60.28 arc(65.95,60.39) 65.91,60.49 65.26,61.14 arc(65.19,61.31) 65.26,61.48 65.35,61.56 arc(65.52,61.63) 65.69,61.56 66.33,60.92 arc(66.44,60.87) 66.54,60.92 66.76,61.13 arc(66.8,61.24) 66.76,61.34 66.36,61.74 arc(66.29,61.91) 66.36,62.08 66.45,62.16 arc(66.62,62.23) 66.79,62.16 67.18,61.77 arc(67.29,61.72) 67.39,61.77 67.61,61.98 arc(67.65,62.09) 67.61,62.19 arc(67.56,62.3) 67.61,62.4 67.82,62.62 arc(67.92,62.66) 68.03,62.62 arc(68.13,62.57) 68.24,62.62 68.45,62.83 arc(68.5,62.93) 68.45,63.04 68.24,63.25 arc(68.2,63.36) 68.24,63.46 68.45,63.68 arc(68.56,63.72) 68.67,63.68 arc(68.77,63.63) 68.88,63.68 69.25,64.05 69.55,64.05 69.78,64.28 69.78,64.58 70.46,65.26 70.46,65.51 70.12,65.85 69.03,65.85 v1(68.54,65.36)
X_CONN_ENET1_RXD3: length 24
  SIG3 w0.157: v1(69.38,64.45) 68.87,64.45 arc(68.72,64.51) 68.66,64.66 arc(68.59,64.81) 68.44,64.87 68.24,64.87 arc(68.09,64.81) 68.03,64.66 68.03,63.75 arc(67.96,63.58) 67.79,63.51 67.67,63.51 arc(67.5,63.58) 67.43,63.75 67.43,64.21 arc(67.36,64.38) 67.19,64.45 65.93,64.45 arc(65.76,64.38) 65.59,64.45 65.27,64.78 arc(65.1,64.85) 64.93,64.78 64.84,64.69 arc(64.77,64.52) 64.84,64.35 65.83,63.36 arc(65.9,63.19) 65.83,63.02 65.75,62.94 arc(65.58,62.86) 65.41,62.94 64.42,63.93 arc(64.25,64) 64.08,63.93 63.99,63.84 arc(63.92,63.67) 63.99,63.5 64.99,62.51 arc(65.06,62.34) 64.99,62.17 64.9,62.09 arc(64.73,62.02) 64.56,62.09 63.57,63.08 arc(63.4,63.15) 63.23,63.08 63.14,62.99 arc(63.07,62.82) 63.14,62.66 64.14,61.66 arc(64.21,61.49) 64.14,61.32 64.05,61.24 arc(63.88,61.17) 63.71,61.24 63.39,61.56 arc(63.22,61.64) 63.05,61.56 60.81,59.33 v1(59.52,59.33)
X_CONN_ENET1_TX_CTL: length 14.7
  SIG1 w0.157: J1.84 67.43,60.33 71.62,64.53 U1.37
X_CONN_ENET1_TXC: length 24
  SIG3 w0.157: v1(59.52,61.83) 60.97,61.83 64.2,65.06 arc(64.27,65.23) 64.2,65.4 63.93,65.68 arc(63.86,65.85) 63.93,66.02 64.01,66.1 arc(64.18,66.17) 64.35,66.1 65.31,65.14 arc(65.48,65.07) 65.65,65.14 65.74,65.22 arc(65.81,65.39) 65.74,65.56 65.15,66.16 arc(65.12,66.23) 65.15,66.31 65.42,66.58 arc(65.5,66.61) 65.57,66.58 66.16,65.99 arc(66.33,65.92) 66.5,65.99 66.59,66.07 arc(66.66,66.24) 66.59,66.41 66,67 arc(65.96,67.08) 66,67.16 66.27,67.43 arc(66.34,67.46) 66.42,67.43 66.8,67.05 arc(66.97,66.98) 67.14,67.05 67.22,67.13 arc(67.29,67.3) 67.22,67.47 66.85,67.85 arc(66.82,67.92) 66.85,68 67.14,68.29 arc(67.21,68.32) 67.29,68.29 arc(67.36,68.26) 67.43,68.29 67.89,68.75 68.79,68.75 arc(68.96,68.82) 69.03,68.99 69.03,69.48 arc(69.1,69.65) 69.27,69.72 69.39,69.72 arc(69.56,69.65) 69.63,69.48 69.63,68.65 arc(69.66,68.58) 69.73,68.55 70.13,68.55 arc(70.2,68.58) 70.23,68.65 arc(70.26,68.72) 70.33,68.75 v1(71.75,68.75)
X_CONN_ENET1_TXD0: length 24
  SIG3 w0.157: v1(71.75,69.25) 73.31,69.25 73.63,68.93 arc(73.54,68.7) 73.31,68.61 72.64,68.61 arc(72.42,68.51) 72.32,68.29 72.32,68.13 arc(72.42,67.9) 72.64,67.81 73.31,67.81 arc(73.54,67.71) 73.63,67.49 73.63,67.25 63.72,57.33 v1(59.52,57.33)
X_CONN_ENET1_TXD1: length 24
  SIG3 w0.157: v1(71.75,69.75) 73.58,69.75 73.89,69.44 arc(73.99,69.21) 74.21,69.12 74.24,69.12 arc(74.46,69.03) 74.56,68.8 74.56,68.64 arc(74.46,68.41) 74.24,68.32 74.21,68.32 arc(73.99,68.23) 73.89,68 73.89,67.14 63.58,56.83 v1(59.52,56.83)
X_CONN_ENET1_TXD2: length 24
  SIG3 w0.157: v1(71.75,70.25) 67.7,70.25 67.09,69.63 arc(67.02,69.46) 67.09,69.3 67.3,69.09 arc(67.37,68.92) 67.3,68.75 67.21,68.66 arc(67.04,68.59) 66.87,68.66 66.04,69.49 arc(65.87,69.56) 65.7,69.49 65.62,69.41 arc(65.55,69.24) 65.62,69.07 66.45,68.24 arc(66.52,68.07) 66.45,67.9 66.36,67.81 arc(66.19,67.74) 66.02,67.81 65.19,68.64 arc(65.02,68.71) 64.85,68.64 64.77,68.56 arc(64.7,68.39) 64.77,68.22 65.6,67.39 arc(65.67,67.22) 65.6,67.05 65.51,66.96 arc(65.34,66.89) 65.17,66.96 64.34,67.79 arc(64.17,67.86) 64.01,67.79 63.92,67.71 arc(63.85,67.54) 63.92,67.37 64.2,67.09 arc(64.27,66.92) 64.2,66.75 59.78,62.33 v1(59.52,62.33)
X_CONN_ENET1_TXD3: length 25.4
  SIG2 w0.157: v1(71.75,70.75) 69.94,70.75 69.29,70.1 arc(69.12,70.03) 68.95,70.1 68.63,70.42 arc(68.46,70.49) 68.29,70.42 68.21,70.33 arc(68.14,70.16) 68.21,69.99 69.15,69.05 arc(69.22,68.88) 69.15,68.71 69.07,68.63 arc(68.9,68.55) 68.73,68.63 67.78,69.57 arc(67.61,69.64) 67.44,69.57 67.36,69.48 arc(67.29,69.31) 67.36,69.15 67.68,68.82 arc(67.75,68.66) 67.68,68.49 67.59,68.4 arc(67.42,68.33) 67.25,68.4 66.93,68.72 arc(66.76,68.79) 66.59,68.72 66.51,68.64 arc(66.44,68.47) 66.51,68.3 66.83,67.98 arc(66.9,67.81) 66.83,67.64 66.74,67.55 arc(66.57,67.48) 66.4,67.55 66.08,67.87 arc(65.91,67.94) 65.74,67.87 65.66,67.79 arc(65.59,67.62) 65.66,67.45 65.98,67.13 arc(66.05,66.96) 65.98,66.79 65.9,66.7 arc(65.73,66.63) 65.56,66.7 65.24,67.02 arc(65.07,67.09) 64.9,67.02 64.81,66.94 arc(64.74,66.77) 64.81,66.6 65.13,66.28 arc(65.2,66.11) 65.13,65.94 60.02,60.83 v1(59.52,60.83)
X_CONN_ETH0_MDC: length 47.3
  GND2 w0.15: v1(76.47,71.47) 76.47,66.95 80.16,63.26 80.16,59.93 80.39,59.7 80.39,59.36 66.58,45.55 55.13,45.55 53.75,46.93 53.75,47 53.51,47.23 53.45,47.23 v1(53.34,47.34)
X_CONN_ETH0_MDIO: length 45.1
  GND2 w0.15: v1(75.97,71.47) 75.97,67.1 78.53,64.54 78.53,59.93 78.29,59.7 78.29,58.55 65.65,45.91 55.31,45.91 53.74,47.48 53.74,47.51 53.51,47.74 53.48,47.74 53.4,47.82 53.34,47.82